# KiCad board Oblique Palette 0.5.4 PCB Main.kicad_pcb (continued)
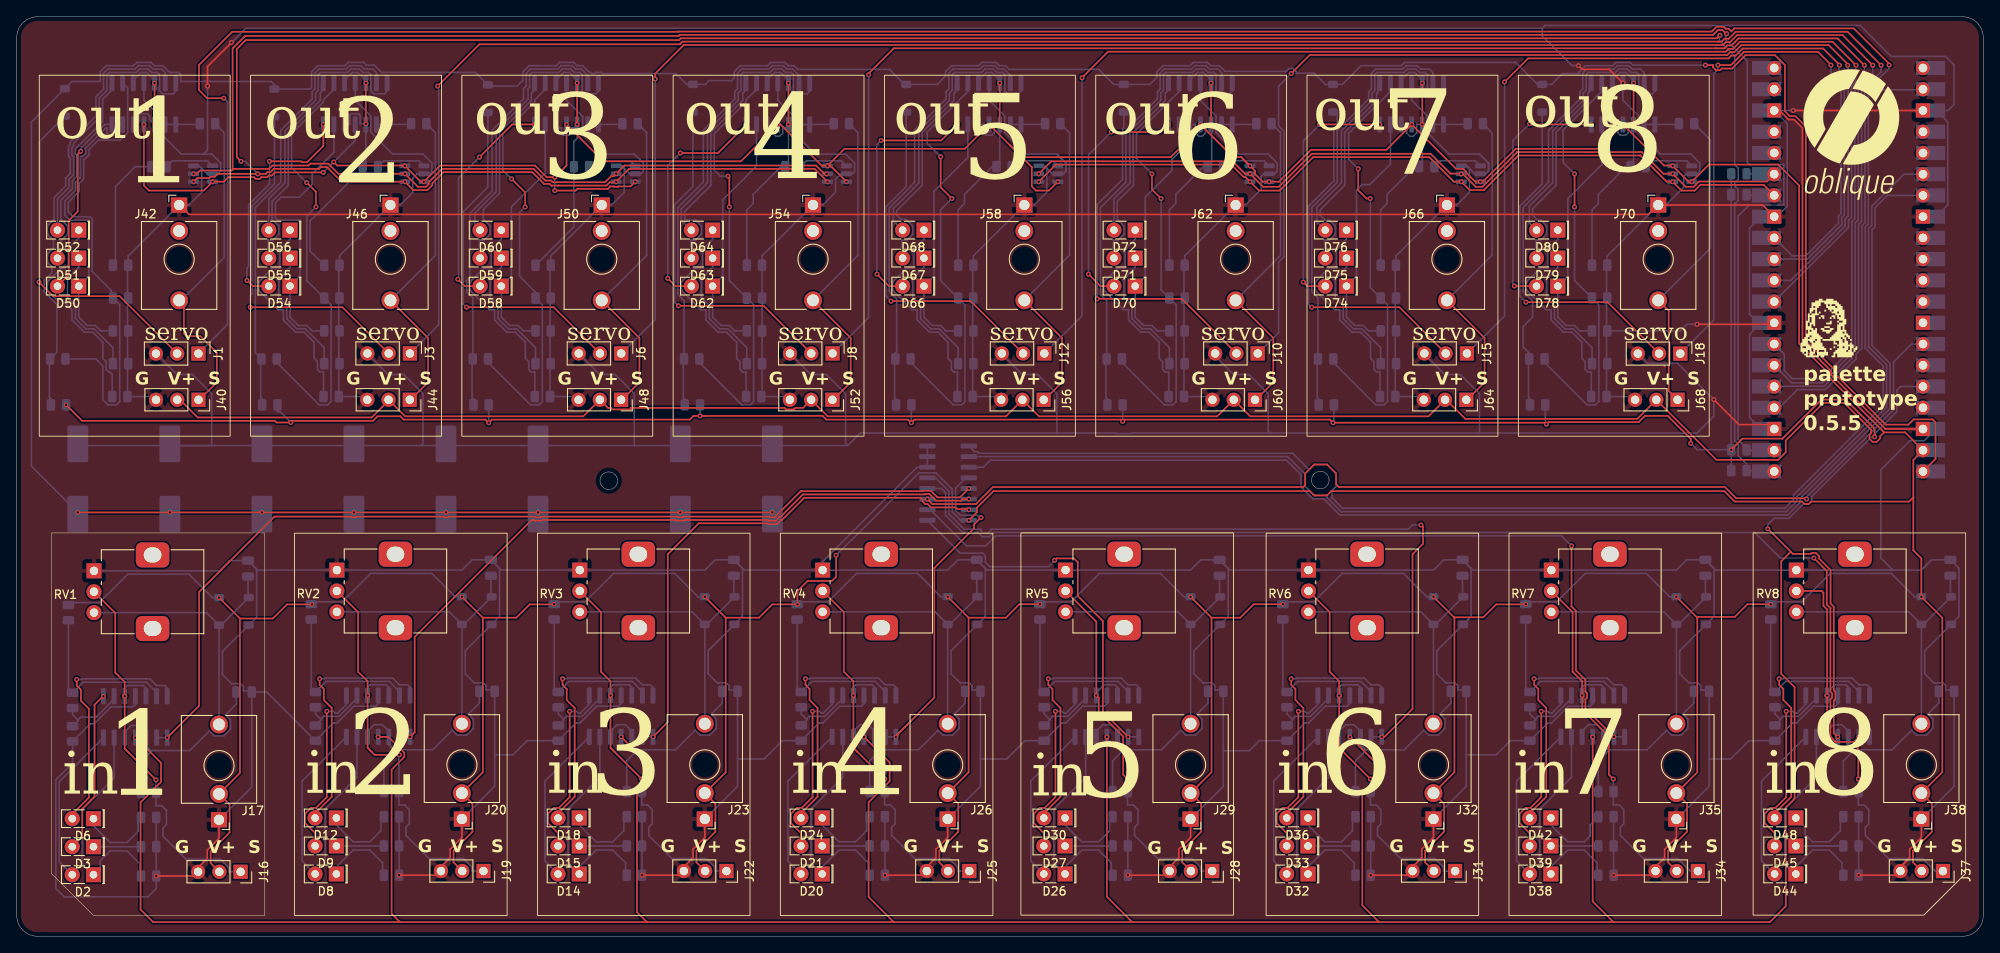
[diagram p0: board, top side]
## Routing (per net, layer and track width the routed paths; a pad name or vN(x,y) marks a point on that pad's centre or on a via; arc(x,y) is an arc through that point) (continued)
  Top w0.2: v1(137.64,97.11) 136.73,96.2 v1(130.8,96.2) ; v1(128.07,79.2) 129.5,77.77 D70.2
  Bottom w0.2: v1(128.07,79.2) 128.07,93.48 v1(130.8,96.2)
Net-(D70-K): length 30
  Bottom w0.2: R128.1 136.3,72.42 135.66,73.06 134.66,73.06 133.66,74.06 D70.1 134.86,78.97 134.86,88.42 138.06,91.62 138.06,92.94 138.91,93.79 U22.6
Net-(D71-A): length 24.5
  Bottom w0.2: 137.44,101.86 137.44,101.03 137.26,100.84 137.26,99.98 133.4,96.12 133.4,92.9 133.45,92.85 133.45,89.83 131.52,87.9 131.52,85.67 131.61,85.67 132.32,84.97 132.32,83.98 131.61,83.27 131.05,83.27 131.05,82.47 131.12,82.4 D71.2
Net-(D71-K): length 16
  Bottom w0.2: D71.1 133.66,80.02 132.32,78.68 132.32,76.4 133.26,75.46 133.26,73.9 134.49,72.66 135.49,72.66 137.74,70.41 R129.1
Net-(D72-A): length 33.1
  Bottom w0.2: U22.14 145.26,101.09 144.96,100.79 143.65,100.79 143.32,101.12 143.32,103.08 143.06,103.34 142.35,103.34 141.95,103.74 140.94,103.74 140.54,103.34 137.3,103.34 137.04,103.08 137.04,101.19 136.71,100.86 136.71,100 133,96.29 133,92.73 133.05,92.68 133.05,90.13 131.12,88.2 D72.2
Net-(D72-K): length 26.4
  Bottom w0.2: D72.1 133.66,83.37 132.61,82.32 132.46,82.32 132.46,79.93 131.57,79.93 129.92,78.27 129.92,77.28 132.26,74.93 132.86,74.93 132.86,73.73 134.33,72.26 135.33,72.26 136.53,71.06 136.53,69.14 136.93,68.74 136.93,67.81 137.25,67.49 137.66,67.49 R130.1
Net-(D73-K): length 44.1
  Top w0.2: v1(154.75,75.25) 165.23,75.25 J15.2
  Bottom w0.2: 157.3,99.05 157.8,98.55 157.8,96.97 157.4,96.57 157.4,90.37 154.51,87.49 ; v1(154.75,75.25) 154.37,75.63 154.37,87.34 154.51,87.49 ; 154.51,87.49 154.36,87.34
Net-(D74-A): length 29.7
  Top w0.2: 156.37,77.77 154.23,77.77 v1(153.75,78.25) ; v1(155.71,97.11) v1(162.89,97.11)
  Bottom w0.2: v1(155.71,97.11) 153.75,95.16 v1(153.75,78.25)
Net-(D74-K): length 30.5
  Bottom w0.2: U24.6 164.16,92.38 161.7,89.92 160.78,89.92 160.11,89.25 160.11,78.97 D74.1 158.91,74.06 159.91,73.06 160.91,73.06 161.55,72.42 R139.1
Net-(D75-A): length 25.6
  Bottom w0.2: 162.69,101.86 162.69,101.03 162.51,100.84 162.51,99.98 158.7,96.17 158.7,89.83 155.76,86.89 155.76,86.25 156.34,85.67 156.86,85.67 157.57,84.97 157.57,83.98 156.86,83.27 156.3,83.27 156.3,82.47 156.37,82.4 156.37,81.12
Net-(D75-K): length 16
  Bottom w0.2: R140.1 162.99,70.41 160.74,72.66 159.74,72.66 158.51,73.9 158.51,75.46 157.57,76.4 157.57,78.68 158.91,80.02 D75.1
Net-(D76-A): length 33.9
  Bottom w0.2: U24.14 170.51,101.09 170.21,100.79 168.9,100.79 168.57,101.12 168.57,103.08 168.31,103.34 167.6,103.34 167.2,103.74 166.19,103.74 165.79,103.34 162.55,103.34 162.29,103.08 162.29,101.19 161.96,100.86 161.96,100 158.3,96.34 158.3,90.13 155.36,87.2 155.36,85.48 156.37,84.47
Net-(D76-K): length 26.4
  Bottom w0.2: R141.1 162.91,67.49 162.5,67.49 162.18,67.81 162.18,68.74 161.78,69.14 161.78,71.06 160.58,72.26 159.58,72.26 158.11,73.73 158.11,74.93 157.51,74.93 155.17,77.28 155.17,78.27 156.82,79.93 157.71,79.93 157.71,82.32 157.86,82.32 158.91,83.37 D76.1
Net-(D77-K): length 42.6
  Top w0.2: J18.2 190.11,75.85 v1(180.35,75.85)
  Bottom w0.2: 179.64,87.36 179.61,87.34 ; 179.64,87.36 182.3,90.02 D77.1 ; 179.64,87.36 179.62,87.34 ; 179.62,87.34 179.62,76.59 v1(180.35,75.85)
Net-(D78-A): length 30.3
  Top w0.2: v1(178.97,77.79) 178.98,77.77 D78.2 ; v1(188.14,97.11) 180.89,97.11 v1(180.8,97.2)
  Bottom w0.2: v1(180.8,97.2) 178.8,95.2 178.8,77.96 v1(178.97,77.79)
Net-(D78-K): length 30
  Bottom w0.2: R150.1 186.8,72.42 186.16,73.06 185.16,73.06 184.16,74.06 D78.1 185.36,78.97 185.36,88.25 189.41,92.3 U26.6
Net-(D79-A): length 25.4
  Bottom w0.2: 187.94,101.86 187.94,101.03 187.76,100.84 187.76,99.98 183.95,96.17 183.95,89.83 181.15,87.04 181.15,86.25 181.73,85.67 182.11,85.67 182.82,84.97 182.82,83.98 182.11,83.27 181.55,83.27 181.55,82.47 181.62,82.4 D79.2
Net-(D79-K): length 16
  Bottom w0.2: D79.1 184.16,80.02 182.82,78.68 182.82,76.4 183.76,75.46 183.76,73.9 184.99,72.66 185.99,72.66 188.24,70.41 R151.1
Net-(D80-A): length 33.7
  Bottom w0.2: D80.2 180.75,85.34 180.75,87.34 183.55,90.13 183.55,96.34 187.21,100 187.21,100.86 187.54,101.19 187.54,103.08 187.8,103.34 191.04,103.34 191.44,103.74 192.45,103.74 192.85,103.34 193.56,103.34 193.82,103.08 193.82,101.12 194.15,100.79 195.46,100.79 195.76,101.09 U26.14
Net-(D80-K): length 26.4
  Bottom w0.2: D80.1 184.16,83.37 183.11,82.32 182.96,82.32 182.96,79.93 182.07,79.93 180.42,78.27 180.42,77.28 182.76,74.93 183.36,74.93 183.36,73.73 184.83,72.26 185.83,72.26 187.03,71.06 187.03,69.14 187.43,68.74 187.43,67.81 187.75,67.49 188.16,67.49 R152.1
Net-(J16-Pin_1): length 50.2
  Top w0.2: 13.41,21.95 12.9,22.45 v1(12.9,28.72) 12.9,30.42 11.77,31.55 11.77,38.68 RV1.2 ; 13.41,21.95 v1(16.64,18.72) ; 13.41,21.95 12.91,22.45
  Bottom w0.2: J16.1 25.36,7.72 25.36,8.19 24.34,9.22 20.24,9.22 17.47,11.98 17.47,12.95 17.89,13.36 17.89,15.07 17.34,15.62 16.64,15.62 v1(16.64,18.72) ; U3.12 15.44,29.69 15.14,29.99 13.2,29.99 12.9,29.69 v1(12.9,28.72)
Net-(J19-Pin_1): length 51.9
  Top w0.2: v1(45.71,21.71) 42.77,21.71 42.43,22.04 ; 41.93,22.54 42.43,22.04 ; 42.43,22.04 41.93,22.54 v1(41.93,28.81) 41.93,30.51 40.8,31.64 40.8,38.77 RV2.2
  Bottom w0.2: v1(41.93,28.81) 41.93,29.78 42.23,30.08 44.17,30.08 44.47,29.78 U4.12 ; v1(45.71,21.71) 45.67,21.66 45.67,15.71 46.36,15.71 46.91,15.16 46.91,13.45 46.5,13.04 46.5,12.07 49.26,9.31 53.37,9.31 54.39,8.28 54.39,7.81 J19.1
Net-(J22-Pin_1): length 50.2
  Top w0.2: 71.46,22.04 v1(74.69,18.81) ; 71.46,22.04 70.95,22.54 v1(70.95,28.81) 70.95,30.51 69.82,31.64 69.82,38.77 RV3.2 ; 71.46,22.04 70.96,22.54
  Bottom w0.2: v1(70.95,28.81) 70.95,29.78 71.25,30.08 73.19,30.08 73.49,29.78 U5.12 ; J22.1 83.41,7.81 83.41,8.28 82.39,9.31 78.29,9.31 75.53,12.07 75.53,13.04 75.94,13.45 75.94,15.16 75.39,15.71 74.69,15.71 v1(74.69,18.81)
Net-(J25-Pin_1): length 50.2
  Top w0.2: 99.98,22.54 100.48,22.04 ; 100.48,22.04 99.98,22.54 v1(99.98,28.81) 99.98,30.51 98.85,31.64 98.85,38.77 RV4.2 ; 100.48,22.04 v1(103.72,18.81)
  Bottom w0.2: J25.1 112.44,7.81 112.44,8.28 111.42,9.31 107.32,9.31 104.55,12.07 104.55,13.04 104.96,13.45 104.96,15.16 104.41,15.71 103.72,15.71 v1(103.72,18.81) ; U6.12 102.52,29.78 102.22,30.08 100.28,30.08 99.98,29.78 v1(99.98,28.81)
Net-(J28-Pin_1): length 48.4
  Top w0.2: RV5.2 129.01,37.64 129.01,29.11 ; v1(132.74,18.81) 132.21,19.33 132.21,23.89 129.3,26.81 129.3,28.51 v1(129.01,28.81)
  Bottom w0.2: v1(132.74,18.81) 132.74,15.71 133.44,15.71 133.99,15.16 133.99,13.45 133.58,13.04 133.58,12.07 136.34,9.31 140.44,9.31 141.47,8.28 141.47,7.81 J28.1 ; 129.01,29.16 129.92,30.08 131.24,30.08 131.55,29.78 U7.12
Net-(J31-Pin_1): length 50.2
  Top w0.2: RV6.2 156.9,38.77 156.9,31.64 158.03,30.51 v1(158.03,28.81) 158.03,22.54 158.54,22.04 ; 158.54,22.04 158.04,22.54 ; 158.54,22.04 v1(161.77,18.81)
  Bottom w0.2: v1(158.03,28.81) 158.03,29.78 158.33,30.08 160.27,30.08 160.57,29.78 U8.12 ; v1(161.77,18.81) 161.77,15.71 162.47,15.71 163.02,15.16 163.02,13.45 162.6,13.04 162.6,12.07 165.37,9.31 169.47,9.31 170.49,8.28 170.49,7.81 J31.1
Net-(J34-Pin_1): length 49.3
  Top w0.2: v1(190.79,18.81) 190.27,19.33 190.27,23.89 187.06,27.1 187.06,28.52 187.2,28.66 v1(187.06,28.81) 187.06,30.51 185.93,31.64 185.93,38.77 RV7.2
  Bottom w0.2: U9.12 189.6,29.78 189.3,30.08 187.36,30.08 187.06,29.78 v1(187.06,28.81) ; J34.1 200,7.81 198.5,9.31 194.39,9.31 191.63,12.07 191.63,13.04 192.04,13.45 192.04,15.16 191.49,15.71 190.79,15.71 v1(190.79,18.81)
Net-(J37-Pin_1): length 52.2
  Top w0.2: v1(220.07,18.81) 220.07,22.43 219.8,22.7 217.34,22.7 216.33,23.71 216.33,28.61 216.13,28.81 ; RV8.2 215.69,41.31 215.9,41.1 215.9,39.54 216.33,39.1 v1(216.33,28.81) 216.13,28.81 ; 216.3,28.97 216.13,28.81
  Bottom w0.2: 216.33,29.16 217.26,30.08 218.57,30.08 218.87,29.78 U10.12 ; J37.1 229.27,7.81 227.77,9.31 223.67,9.31 220.91,12.07 220.91,13.04 221.32,13.45 221.32,15.16 220.77,15.71 220.07,15.71 v1(220.07,18.81)
Net-(J40-Pin_1): length 38.7
  Top w0.2: 19.97,75.51 19.97,72.09 20.28,71.78 21.95,71.78 23.91,69.83 23.91,66.27 21.93,64.29
  Bottom w0.2: 19.41,75.81 24.8,81.2 24.8,96.12 R17.1
Net-(J44-Pin_1): length 38.3
  Top w0.2: 44.66,76.07 49.16,71.57 49.16,66.27 47.18,64.29
  Bottom w0.2: 44.66,76.07 50.02,81.44 50.02,96.14 R18.1
Net-(J48-Pin_1): length 38.3
  Top w0.2: 69.91,76.07 74.41,71.57 74.41,66.27 72.43,64.29
  Bottom w0.2: R25.1 75.27,96.14 75.27,81.44 69.91,76.07
Net-(J52-Pin_1): length 38.3
  Top w0.2: 97.68,64.29 99.66,66.27 99.66,71.57 95.16,76.07
  Bottom w0.2: R26.1 100.52,96.14 100.52,81.44 95.16,76.07
Net-(J56-Pin_1): length 38.3
  Top w0.2: 122.93,64.29 124.91,66.27 124.91,71.57 120.41,76.07
  Bottom w0.2: R33.1 125.81,96.1 125.81,81.47 120.41,76.07
Net-(J60-Pin_1): length 38.3
  Top w0.2: 145.66,76.07 150.16,71.57 150.16,66.27 148.18,64.29
  Bottom w0.2: 145.66,76.07 151.02,81.44 151.02,96.14 R34.1
Net-(J64-Pin_1): length 38.3
  Top w0.2: 170.91,76.07 175.41,71.57 175.41,66.27 173.43,64.29
  Bottom w0.2: 170.91,76.07 176.31,81.47 176.31,96.1 R41.1
Net-(J68-Pin_1): length 37.4
  Top w0.2: 196.16,76.07 197.41,74.82 197.41,65.24 J68.1
  Bottom w0.2: 196.16,76.07 202.4,82.31 202.4,95.27 R42.1
Net-(U1-A): length 151
  Bottom w0.2: U1.11 115.5,56.11 116.34,56.95 151.73,56.95 153.47,55.22 153.47,53.75 154.88,52.33 156.17,52.33 158.1,50.4 211.63,50.4 213.11,51.89 213.11,52.39 223.85,63.12 223.85,68.54 221.7,70.68 221.7,84.5 222.07,84.86 222.07,87.16 223.53,88.62 U2.27
Net-(U1-B): length 151.6
  Bottom w0.2: U1.10 151.87,57.38 153.96,55.29 153.96,53.82 155.05,52.74 156.51,52.74 156.53,52.72 156.53,52.53 158.26,50.8 211.46,50.8 212.71,52.05 212.71,52.55 223.45,63.29 223.45,68.37 221.3,70.52 221.3,84.66 221.67,85.03 221.67,87.32 225.51,91.16 U2.26
Net-(U1-C): length 165.7
  Bottom w0.2: 227.75,101.25 221.75,101.25 221.26,100.76 221.26,85.19 220.9,84.83 220.9,70.35 223.05,68.2 223.05,63.52 212.31,52.78 212.31,52.22 211.3,51.2 158.43,51.2 157.17,52.46 157.17,53.33 157.66,53.82 157.66,55.35 156.58,56.44 155.05,56.44 154.43,55.82 152.47,57.78 114.99,57.78 114.79,57.98 114.44,57.98 U1.9
Net-(U1-X): length 135.6
  Top w0.2: v1(108.82,52.3) 109.42,51.7 114.61,51.7 116.65,53.74 152.99,53.74 153,53.75 153.75,53.75 153.96,53.96 153.96,55.35 155.05,56.44 156.58,56.44 157.66,55.35 157.66,54.09 158,53.75 204.12,53.75 205.47,52.4 213.8,52.4 v1(213.89,52.31)
  Bottom w0.2: U2.34 226.44,70.84 224.28,68.69 224.28,62.99 222.92,61.63 222.92,61.58 213.89,52.54 v1(213.89,52.31)
Net-(U3A-+): length 27.2
  Bottom w0.2: 15.74,22.49 15.44,22.79 U3.3 ; 15.74,22.49 16.09,22.14 14.85,20.89 R68.2 ; 15.74,22.49 16.02,22.22 20.67,22.22 23.02,24.56 23.61,23.97 24.74,23.97 25.54,24.77 25.54,25.9 24.95,26.49 26.26,27.8 R160.1 ; 15.44,24.45 14.67,25.22 13.67,25.22 12.9,24.45
Net-(U3C--): length 8.1
  Bottom w0.2: 7.36,25.82 R4.2 ; 7.36,25.82 6.67,26.5 R6.1 ; 7.36,25.82 7.36,25.93 7.65,26.22 9.48,26.22 11.63,28.37
Net-(U3D--): length 19.9
  Bottom w0.2: R8.1 6.17,29.63 R6.2 7.94,30.39 15.5,30.39 16.71,29.18
Net-(U4A-+): length 27.2
  Bottom w0.2: U4.3 44.47,22.88 44.77,22.58 ; 44.47,24.54 43.7,25.31 42.7,25.31 41.93,24.54 ; 44.77,22.58 45.04,22.31 49.7,22.31 52.04,24.65 52.63,24.06 53.76,24.06 54.56,24.86 54.56,25.99 53.97,26.58 55.29,27.89 R161.1 ; 44.77,22.58 45.12,22.23 43.87,20.98 R72.2
Net-(U4C--): length 8.1
  Bottom w0.2: 36.39,25.91 36.39,26.02 36.67,26.31 38.5,26.31 40.66,28.46 ; 36.39,25.91 35.7,26.59 R14.1 ; 36.39,25.91 R12.2
Net-(U4D--): length 19.9
  Bottom w0.2: 45.74,29.27 44.52,30.48 36.96,30.48 R14.2 35.2,29.72 R16.1
Net-(U5A-+): length 27.2
  Bottom w0.2: R162.1 84.31,27.89 83,26.58 83.59,25.99 83.59,24.86 82.79,24.06 81.66,24.06 81.07,24.65 78.72,22.31 74.07,22.31 73.79,22.58 ; 70.95,24.54 71.72,25.31 72.72,25.31 73.49,24.54 ; 73.79,22.58 74.15,22.23 72.9,20.98 R79.2 ; 73.79,22.58 73.49,22.88 U5.3
Net-(U5C--): length 8.1
  Bottom w0.2: 65.41,25.91 65.41,26.02 65.7,26.31 67.53,26.31 69.68,28.46 ; 65.41,25.91 R20.2 ; 65.41,25.91 64.72,26.59 R22.1
Net-(U5D--): length 19.9
  Bottom w0.2: R24.1 64.22,29.72 R22.2 65.99,30.48 73.55,30.48 74.76,29.27
Net-(U6A-+): length 27.2
  Bottom w0.2: R83.2 101.92,20.98 103.17,22.23 102.82,22.58 ; R163.1 113.34,27.89 112.03,26.58 112.62,25.99 112.62,24.86 111.82,24.06 110.68,24.06 110.09,24.65 107.75,22.31 103.09,22.31 102.82,22.58 ; 99.98,24.54 100.75,25.31 101.75,25.31 102.52,24.54 ; 102.82,22.58 102.52,22.88 U6.3
Net-(U6C--): length 8.1
  Bottom w0.2: 94.44,25.91 R28.2 ; 94.44,25.91 93.75,26.59 R30.1 ; 94.44,25.91 94.44,26.02 94.72,26.31 96.56,26.31 98.71,28.46
Net-(U6D--): length 19.9
  Bottom w0.2: R32.1 93.25,29.72 R30.2 95.01,30.48 102.57,30.48 103.79,29.27
Net-(U7A-+): length 27.2
  Bottom w0.2: 129.01,24.54 129.78,25.31 130.78,25.31 131.55,24.54 ; U7.3 131.55,22.88 131.85,22.58 ; 131.85,22.58 132.12,22.31 136.78,22.31 139.12,24.65 139.71,24.06 140.84,24.06 141.64,24.86 141.64,25.99 141.05,26.58 142.36,27.89 R164.1 ; 131.85,22.58 132.2,22.23 130.95,20.98 R90.2
Net-(U7C--): length 8.1
  Bottom w0.2: R38.1 122.78,26.59 123.46,25.91 ; 123.46,25.91 123.46,26.02 123.75,26.31 125.58,26.31 127.74,28.46 ; 123.46,25.91 R36.2
Net-(U7D--): length 19.9
  Bottom w0.2: 132.82,29.27 131.6,30.48 124.04,30.48 R38.2 122.28,29.72 R40.1
Net-(U8A-+): length 27.2
  Bottom w0.2: 160.57,24.54 159.8,25.31 158.8,25.31 158.03,24.54 ; 160.87,22.58 160.57,22.88 U8.3 ; 160.87,22.58 161.22,22.23 159.98,20.98 R94.2 ; 160.87,22.58 161.15,22.31 165.8,22.31 168.15,24.65 168.74,24.06 169.87,24.06 170.67,24.86 170.67,25.99 170.08,26.58 171.39,27.89 R165.1
Net-(U8C--): length 8.1
  Bottom w0.2: 152.49,25.91 152.49,26.02 152.78,26.31 154.61,26.31 156.76,28.46 ; 152.49,25.91 R44.2 ; 152.49,25.91 151.8,26.59 R46.1
Net-(U8D--): length 19.9
  Bottom w0.2: 161.84,29.27 160.63,30.48 153.07,30.48 R46.2 151.3,29.72 R48.1
Net-(U9A-+): length 27.2
  Bottom w0.2: 189.9,22.58 190.25,22.23 189,20.98 R101.2 ; 189.9,22.58 189.6,22.88 U9.3 ; 189.9,22.58 190.17,22.31 194.83,22.31 197.17,24.65 197.76,24.06 198.89,24.06 199.69,24.86 199.69,25.99 199.1,26.58 200.41,27.89 R166.1 ; 189.6,24.54 188.83,25.31 187.83,25.31 187.06,24.54
Net-(U9C--): length 8.1
  Bottom w0.2: 181.51,25.91 180.83,26.59 R54.1 ; 181.51,25.91 181.51,26.02 181.8,26.31 183.63,26.31 185.79,28.46 ; 181.51,25.91 R52.2
Net-(U9D--): length 19.9
  Bottom w0.2: R56.1 180.33,29.72 R54.2 182.09,30.48 189.65,30.48 190.87,29.27
Net-(U10A-+): length 27.2
  Bottom w0.2: R167.1 229.69,27.89 228.38,26.58 228.97,25.99 228.97,24.86 228.17,24.06 227.04,24.06 226.45,24.65 224.1,22.31 219.45,22.31 219.17,22.58 ; 219.17,22.58 218.87,22.88 U10.3 ; 219.17,22.58 219.53,22.23 218.28,20.98 R105.2 ; 216.33,24.54 217.1,25.31 218.1,25.31 218.87,24.54
Net-(U10C--): length 8.1
  Bottom w0.2: 215.06,28.46 212.91,26.31 211.08,26.31 210.79,26.02 210.79,25.91 ; R62.1 210.1,26.59 210.79,25.91 ; 210.79,25.91 R60.2
Net-(U10D--): length 19.9
  Bottom w0.2: R64.1 209.6,29.72 R62.2 211.37,30.48 218.93,30.48 220.14,29.27
Net-(U11-VOUT): length 6
  Bottom w0.2: U11.1 22.81,92.76 18.61,92.76 R153.2
Net-(U12A-+): length 31.6
  Top w0.2: v1(16.47,102.06) v1(16.47,97.11)
  Bottom w0.2: U12.5 14.21,97.11 14.6,97.5 14.6,98.2 14.78,98.39 15.61,98.39 15.88,98.12 15.88,97.7 v1(16.47,97.11) 16.47,92.45 ; 16.47,102.41 15.54,103.34 14.86,103.34 13.93,102.41 ; 11.8,80.58 11.8,89.7 14.16,92.06 R153.1
Net-(U12A--): length 4.1
  Bottom w0.2: U12.2 U12.1 21.79,97.11
Net-(U12C--): length 57.6
  Bottom w0.2: R70.2 9.47,69.06 10.28,68.25 10.28,64.19 10.91,63.56 11.9,63.56 12.31,63.97 12.31,75.54 R69.1 ; U12.9 13.26,101.46 13.26,96.1 12.4,95.24 9.76,95.24 8.64,94.12 8.64,93.49 8.06,92.9 8,92.9 8,90.6 7.45,90.05 7.45,89.08 6.15,87.79 6.15,86.67 6.75,86.07 8.77,86.07 9.01,85.84 9.01,79.54 11.3,77.25 11.3,76.55
Net-(U12D--): length 54.2
  Bottom w0.2: 3.91,68.98 3.91,64.44 4.08,64.26 R71.2 ; R70.1 4.8,69.87 4.8,75.58 3.27,77.11 3.27,78.44 4.19,79.36 4.19,80.1 3.67,80.63 3.67,81.62 4.37,82.32 4.4,82.32 4.4,83.27 4.37,83.27 3.67,83.98 3.67,84.97 4.37,85.67 4.47,85.67 4.47,88.37 4.8,88.7 4.8,88.7 5.85,89.75 5.85,90.71 6.4,91.26 6.4,93.1 6.19,93.3 6.19,94.5 6.4,94.71 6.4,95.03 9.47,98.1 9.47,100.44 10.39,101.36 10.39,103.25 10.88,103.74 14.12,103.74 14.52,104.14 15.87,104.14 16.27,103.74 17.3,103.74 17.74,103.3 U12.13
Net-(U13-VOUT): length 6
  Bottom w0.2: U13.1 48.06,92.76 43.86,92.76 R154.2
Net-(U14A-+): length 33.3
  Top w0.2: v1(41.72,97.2) 41.72,100.5 41.72,100.5 v1(41.72,102.06)
  Bottom w0.2: R154.1 41.33,90.74 40.8,90.2 39.7,90.2 35.06,85.56 35.06,81.96 R116.2 ; 41.72,102.41 40.79,103.34 40.11,103.34 39.18,102.41 ; 41.72,92.45 U14.3 ; U14.5 39.71,97.11 39.8,97.2 39.8,98.2 39.98,98.39 40.86,98.39 41.05,98.2 41.05,97.2 v1(41.72,97.2)
Net-(U14A--): length 4.1
  Bottom w0.2: U14.2 U14.1 47.04,97.11
Net-(U14C--): length 51.1
  Top w0.2: v1(34.66,90.15) 35.75,89.06 v1(35.75,87.25)
  Bottom w0.2: 37.91,101.31 36.66,100.06 36.66,99.81 32.85,96 32.85,91.96 v1(34.66,90.15) ; v1(35.75,87.25) 34.66,86.16 34.66,78.44 R80.1 37.56,75.54 37.56,63.97 37.15,63.56 36.16,63.56 31.07,68.65
Net-(U14D--): length 52.2
  Bottom w0.2: R82.2 29.33,64.26 29.16,64.44 29.16,68.98 ; U14.13 42.99,103.3 42.55,103.74 41.52,103.74 41.12,104.14 39.77,104.14 39.37,103.74 36.13,103.74 35.63,103.25 35.63,101.36 35.31,101.03 35.31,100.17 31.55,96.4 31.55,90.2 28.52,87.17 28.52,69.79 R81.1
Net-(U15-VOUT): length 6
  Bottom w0.2: U15.1 73.31,92.76 69.11,92.76 R155.2
Net-(U16A-+): length 31.5
  Top w0.2: v1(66.97,102.06) v1(66.97,97.11)
  Bottom w0.2: 64.43,102.41 65.36,103.34 66.04,103.34 66.97,102.41 ; R123.2 66.58,84.86 R155.1 66.58,95.08 66.97,95.47 v1(66.97,97.11) 66.56,96.7 66.3,96.7 66.3,96.1 66.04,95.84 65.3,95.84 65.1,96.04 65.1,96.7 64.84,96.7 U16.5
Net-(U16A--): length 4.1
  Bottom w0.2: U16.2 U16.1 72.29,97.11
Net-(U16C--): length 50.7
  Top w0.2: v1(60.75,87.25) 60.75,88.99 v1(59.14,90.6)
  Bottom w0.2: 63.16,101.31 61.91,100.06 61.91,99.81 58.1,96 58.1,91.64 v1(59.14,90.6) ; v1(60.75,87.25) 60.09,86.59 60.09,78.95 61.99,77.05 R91.1 62.81,75.54 62.81,63.97 62.4,63.56 61.41,63.56 56.32,68.65
Net-(U16D--): length 52
  Bottom w0.2: R92.1 54.49,76.38 53.77,77.11 53.77,78.44 54.15,78.82 54.15,86.47 54.97,87.29 56.8,89.12 56.8,96.4 60.56,100.17 60.56,101.4 60.89,101.73 60.89,103.24 61.38,103.74 64.62,103.74 65.02,104.14 66.37,104.14 66.77,103.74 67.47,103.74 68.24,102.98 U16.13 ; 54.41,68.98 54.41,64.44 54.58,64.26 R93.2
Net-(U17-VOUT): length 6
  Bottom w0.2: U17.1 98.56,92.76 94.36,92.76 R156.2
Net-(U18A-+): length 31.3
  Top w0.2: v1(92.22,102.06) v1(92.22,97.11)
  Bottom w0.2: R156.1 91.32,92.06 88,88.75 88,87.66 87.24,86.9 R127.2 ; 92.22,102.41 91.29,103.34 90.61,103.34 89.68,102.41 ; U18.5 90.09,96.7 90.3,96.7 90.3,96.15 90.74,95.7 91.15,95.7 91.55,96.1 91.55,96.7 91.81,96.7 v1(92.22,97.11) 92.22,92.45
Net-(U18A--): length 4.1
  Bottom w0.2: 97.54,97.11 U18.1 93.49,97.11
Net-(U18C--): length 50.7
  Top w0.2: v1(84.99,90.93) 85.16,90.77 v1(85.16,87.25)
  Bottom w0.2: 81.57,68.65 86.66,63.56 87.65,63.56 88.06,63.97 88.06,75.54 R102.1 85.16,78.44 v1(85.16,87.25) ; 88.41,101.31 87.16,100.06 87.16,99.81 83.35,96 83.35,91.65 84.07,90.93 v1(84.99,90.93)
Net-(U18D--): length 52
  Bottom w0.2: 93.49,102.06 93.49,102.98 92.72,103.74 92.02,103.74 91.62,104.14 90.27,104.14 89.87,103.74 86.63,103.74 86.14,103.24 86.14,102.48 86.14,102.48 86.14,101.36 85.81,101.03 85.81,100.17 82.05,96.4 82.05,90.2 79.02,87.17 79.02,76.77 79.74,76.04 R103.1 ; R104.2 79.83,64.26 79.66,64.44 79.66,68.98
Net-(U19-VOUT): length 6
  Bottom w0.2: R157.2 119.61,92.76 123.81,92.76 U19.1
Net-(U20A-+): length 31.7
  Top w0.2: v1(117.47,102.06) v1(117.47,97.11)
  Bottom w0.2: 117.47,92.45 v1(117.47,97.11) 116.8,97.11 116.8,96.1 116.54,95.84 115.86,95.84 115.6,96.1 115.6,97.11 U20.5 ; 114.93,102.41 115.86,103.34 116.54,103.34 117.47,102.41 ; R134.2 112.49,86.9 113.25,87.66 113.25,88.75 116.57,92.06 R157.1
Net-(U20A--): length 4.1
  Bottom w0.2: U20.2 U20.1 122.79,97.11
Net-(U20C--): length 51.1
  Top w0.2: v1(110.41,93.25) 110.41,89.59 v1(111.75,88.25)
  Bottom w0.2: 113.66,101.31 113.66,101.06 108.8,96.2 108.8,94.86 v1(110.41,93.25) ; 106.82,68.65 111.91,63.56 112.9,63.56 113.31,63.97 113.31,75.54 R113.1 110.41,78.44 110.41,86.91 v1(111.75,88.25)
Net-(U20D--): length 52.2
  Bottom w0.2: R114.1 104.99,69.76 105.15,69.92 105.15,76.23 104.27,77.11 104.27,77.3 104.27,87.11 106.7,89.54 106.7,89.6 107.3,90.2 107.3,96.4 111.06,100.17 111.06,101.03 111.39,101.36 111.39,102.73 111.39,103.24 111.88,103.74 115.12,103.74 115.52,104.14 116.87,104.14 117.27,103.74 117.97,103.74 118.74,102.98 U20.13 ; 104.91,68.98 104.91,64.44 105.08,64.26 R115.2
Net-(U21-VOUT): length 6
  Bottom w0.2: 149.66,92.16 149.06,92.76 144.86,92.76 144.16,92.06
Net-(U22A-+): length 32.3
  Top w0.2: v1(142.72,102.06) v1(142.72,97.11)
  Bottom w0.2: 142.72,102.41 141.79,103.34 141.11,103.34 140.18,102.41 ; v1(142.72,97.11) 142.05,97.11 142.05,96.1 141.65,95.7 141.24,95.7 140.85,96.1 140.85,97.11 U22.5 ; 142.8,97.03 142.8,92.53 R158.1 141.82,92.06 138.5,88.75 138.5,87.66 137.74,86.9 R138.2
Net-(U22A--): length 4.1
  Bottom w0.2: 148.04,97.11 U22.1 U22.2
Net-(U22C--): length 50.2
  Top w0.2: v1(135.66,91.2) 135.66,89.34 v1(136.75,88.25)
  Bottom w0.2: 132.07,68.65 137.16,63.56 138.15,63.56 138.56,63.97 138.56,75.54 R124.1 136.75,77.34 v1(136.75,88.25) ; 138.91,101.31 138.91,101.06 133.8,95.95 133.8,93.06 v1(135.66,91.2)
Net-(U22D--): length 52.2
  Bottom w0.2: U22.13 143.99,103.3 143.55,103.74 142.52,103.74 142.12,104.14 140.77,104.14 140.37,103.74 137.13,103.74 136.63,103.25 136.63,101.36 136.31,101.03 136.31,100.17 132.55,96.4 132.55,90.2 129.51,87.17 129.51,76.77 130.24,76.04 R125.1 ; R126.2 130.33,64.26 130.16,64.44 130.16,68.98
Net-(U23-VOUT): length 6
  Bottom w0.2: U23.1 174.31,92.76 170.11,92.76 R159.2
Net-(U24A-+): length 31.8
  Top w0.2: v1(167.97,102.06) v1(167.97,97.11)
  Bottom w0.2: 167.97,92.45 v1(167.97,97.11) 167.3,97.11 167.3,96.1 166.9,95.7 166.49,95.7 166.1,96.1 166.1,97.11 U24.5 ; 167.97,102.41 167.04,103.34 166.36,103.34 165.43,102.41 ; R145.2 162.99,86.9 163.75,87.66 163.75,88.75 167.07,92.06 R159.1
Net-(U24A--): length 4.1
  Bottom w0.2: 173.29,97.11 U24.1 U24.2
Net-(U24C--): length 50.4
  Top w0.2: v1(161.75,88.25) 161.3,88.25 160.31,89.24 v1(160.31,91.81)
  Bottom w0.2: 164.16,101.31 164.16,101.06 159.16,96.07 159.16,92.95 v1(160.31,91.81) ; 157.32,68.65 162.41,63.56 163.4,63.56 163.81,63.97 163.81,75.54 R135.1 161.75,77.59 v1(161.75,88.25)
Net-(U24D--): length 52.2
  Bottom w0.2: R137.2 155.58,64.26 155.41,64.44 155.41,68.98 ; R136.1 155.49,76.38 154.77,77.11 154.77,87.17 157.8,90.2 157.8,96.4 161.56,100.17 161.56,101.03 161.88,101.36 161.88,103.25 162.38,103.74 165.62,103.74 166.02,104.14 167.37,104.14 167.77,103.74 168.8,103.74 169.24,103.3 U24.13
Net-(U25-VOUT): length 6
  Bottom w0.2: 194.66,92.06 195.36,92.76 199.56,92.76 200.16,92.16
Net-(U26A-+): length 31.7
  Top w0.2: v1(193.22,102.06) v1(193.22,97.11)
  Bottom w0.2: 193.22,102.41 192.29,103.34 191.61,103.34 190.68,102.41 ; R168.1 192.32,92.06 189,88.75 189,87.66 188.24,86.9 R149.2 ; U26.5 191.35,97.11 191.35,96.1 191.61,95.84 192.29,95.84 192.55,96.1 192.55,97.11 v1(193.22,97.11) 193.22,92.45
Net-(U26A--): length 4.1
  Bottom w0.2: U26.2 U26.1 198.54,97.11
Net-(U26C--): length 49.8
  Top w0.2: v1(186.16,87.25) v1(186.16,91.2)
  Bottom w0.2: 182.57,68.65 187.66,63.56 188.65,63.56 189.06,63.97 189.06,75.54 R146.1 186.16,78.44 v1(186.16,87.25) ; 189.41,101.31 189.41,101.06 184.8,96.45 184.8,92.56 v1(186.16,91.2)
Net-(U26D--): length 53.2
  Bottom w0.2: 180.66,68.98 180.66,64.44 180.83,64.26 R148.2 ; U26.13 194.49,103.3 194.05,103.74 193.02,103.74 192.62,104.14 191.27,104.14 190.87,103.74 187.63,103.74 187.13,103.25 187.13,101.36 186.81,101.03 186.81,100.17 183.05,96.4 183.05,90.2 180.02,87.17 180.02,77.11 181.15,75.98 181.15,74.08 180.02,72.95 180.02,70.49 180.74,69.76 R147.1

## Copper pours and planes (outline as drawn; the poured copper is in the pictures)
GNDREF on Top, Bottom: -0.25,110 235,110.12 235.75,-0.75 -0.25,-0.75
Vser on Bottom: 130.81,105.49 133.81,105.49 133.81,99.39 130.81,99.39
Vser on Bottom: 29.33,105.89 32.33,105.89 32.33,98.89 29.33,98.89
Vser on Bottom: 104.75,105.74 107.75,105.74 107.75,99.64 104.75,99.64
Vser on Bottom: 79.24,105.8 82.24,105.8 82.24,99.75 79.24,99.75
Vser on Bottom: 155.75,105.74 158.75,105.74 158.75,99.64 155.75,99.64
Vser on Bottom: 4.23,105.8 7.23,105.8 7.23,98.8 4.23,98.8
Vser on Bottom: 54.74,105.79 57.74,105.79 57.74,98.99 54.74,98.99
Vser on Bottom: 180.75,105.74 183.75,105.74 183.75,99.64 180.75,99.64

## Text on the board
B.Silkscreen: i2c Bus 0 | i2c Bus 1 | Do we need h  les? | out | in | 1 | 2 | 3 | 4 | 5 | 6 | 7 | 8
F.Silkscreen: G   V+  S | palette / prototype / 0.5.5 | servo | out | in | 1 | 2 | 3 | 4 | 5 | 6 | 7 | 8
